# Altium PCB PA0960.PcbDoc
Units mm, origin at the board's own origin, x right, y up, seen from the top; angles counter-clockwise.
Board outline 25 x 23.86 mm, 4 copper layers (Top Copper, Signal Layer 1, Layer 1, Bottom Layer), stack 1.602 mm thick; 22 components, 11 nets, 65 pads, 195 vias.
Unrouted connection lines stored in the file: 10.
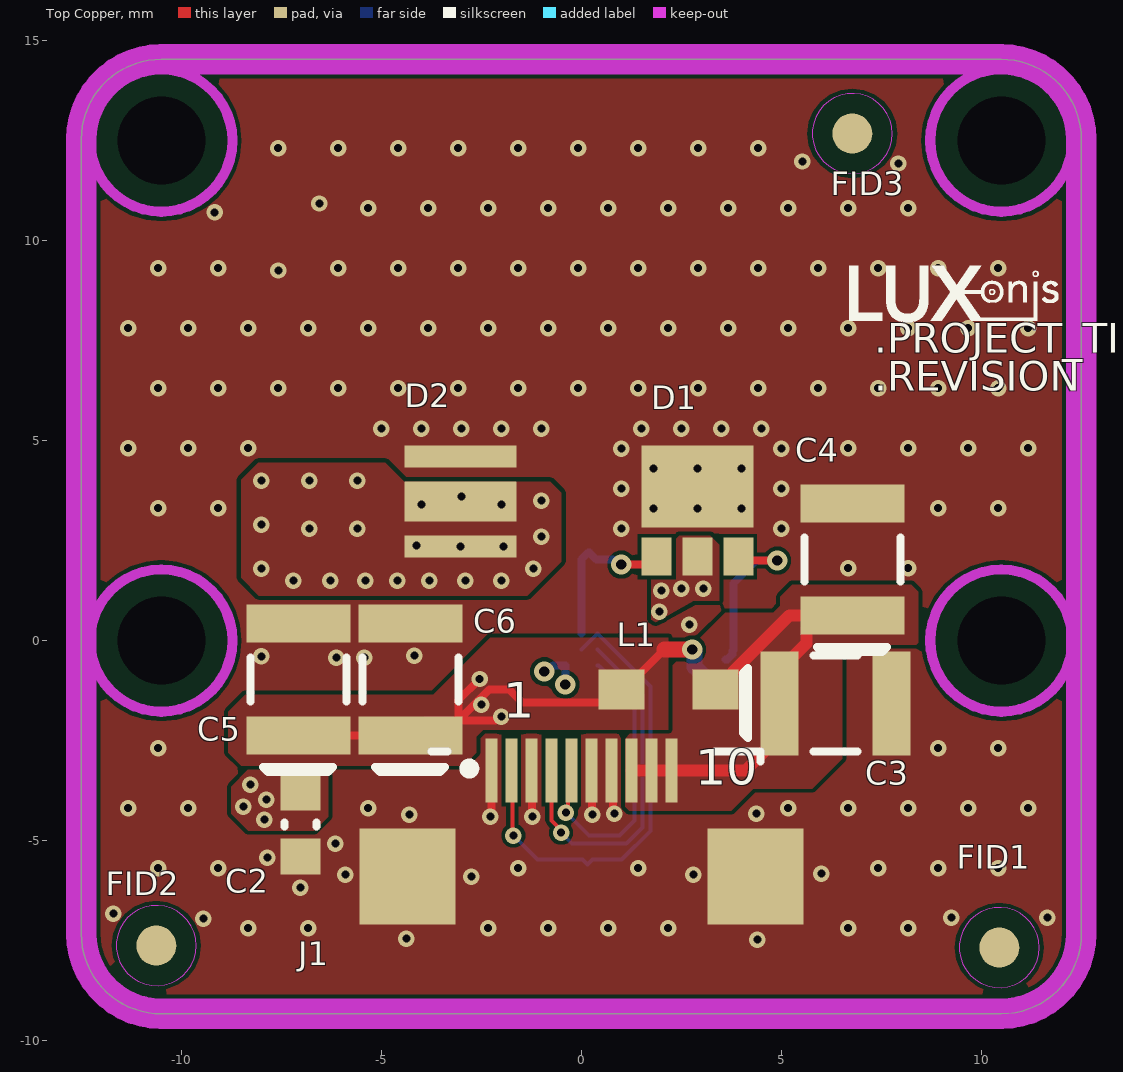
[diagram p0: Top Copper view]
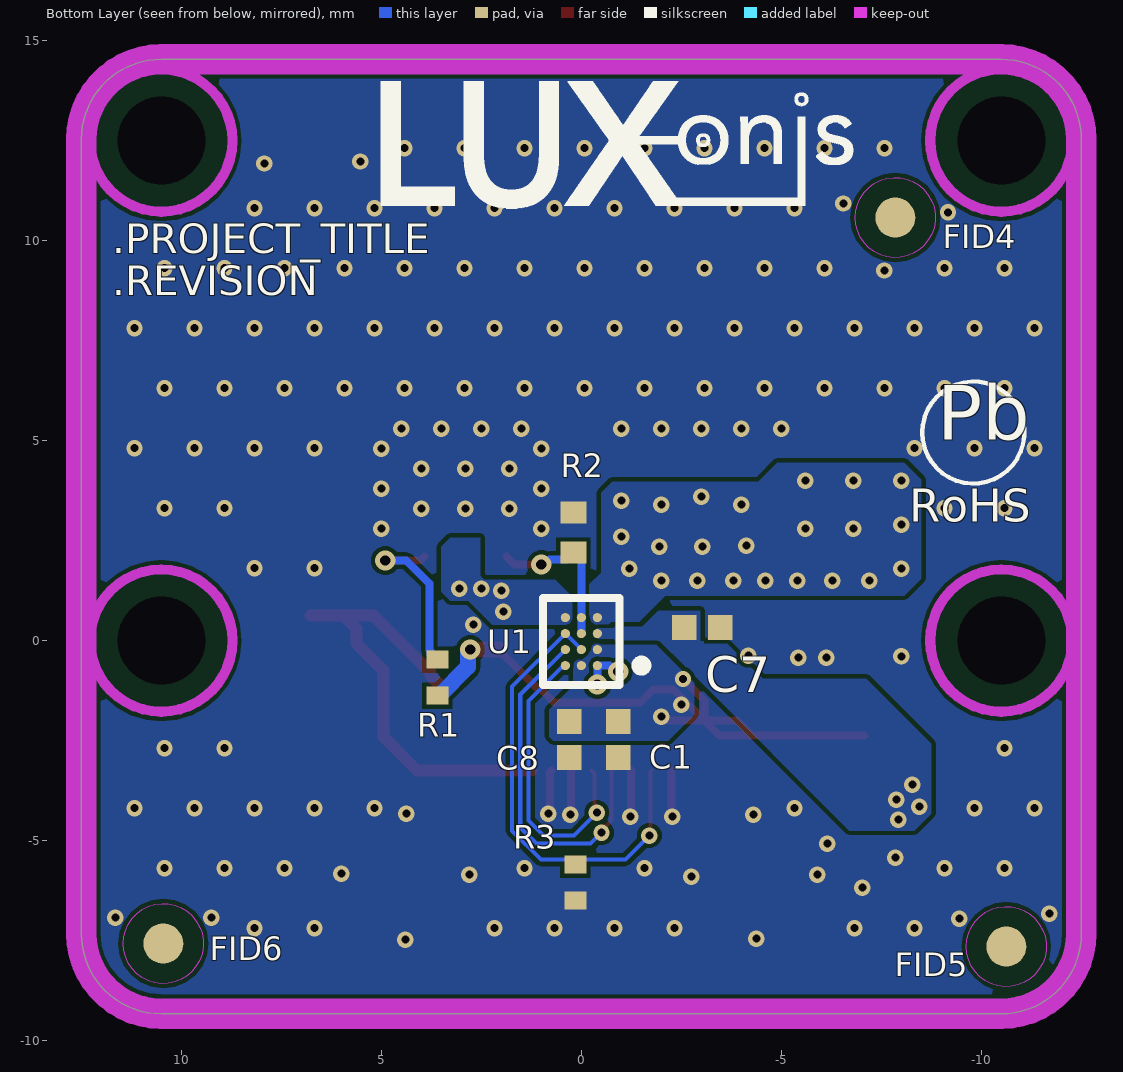
[diagram p1: Bottom Layer view, seen from below]
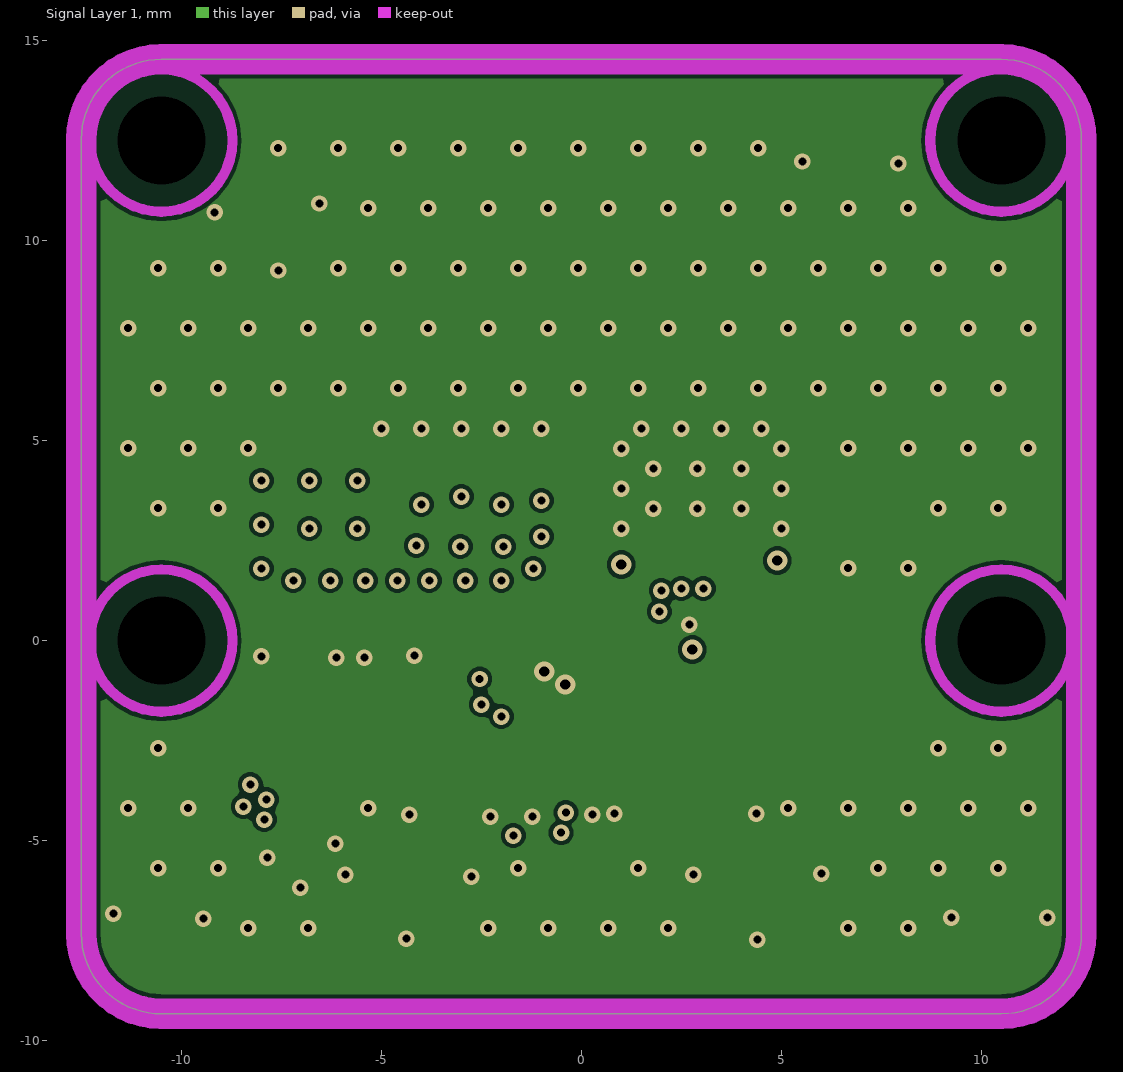
[diagram p2: Signal Layer 1]
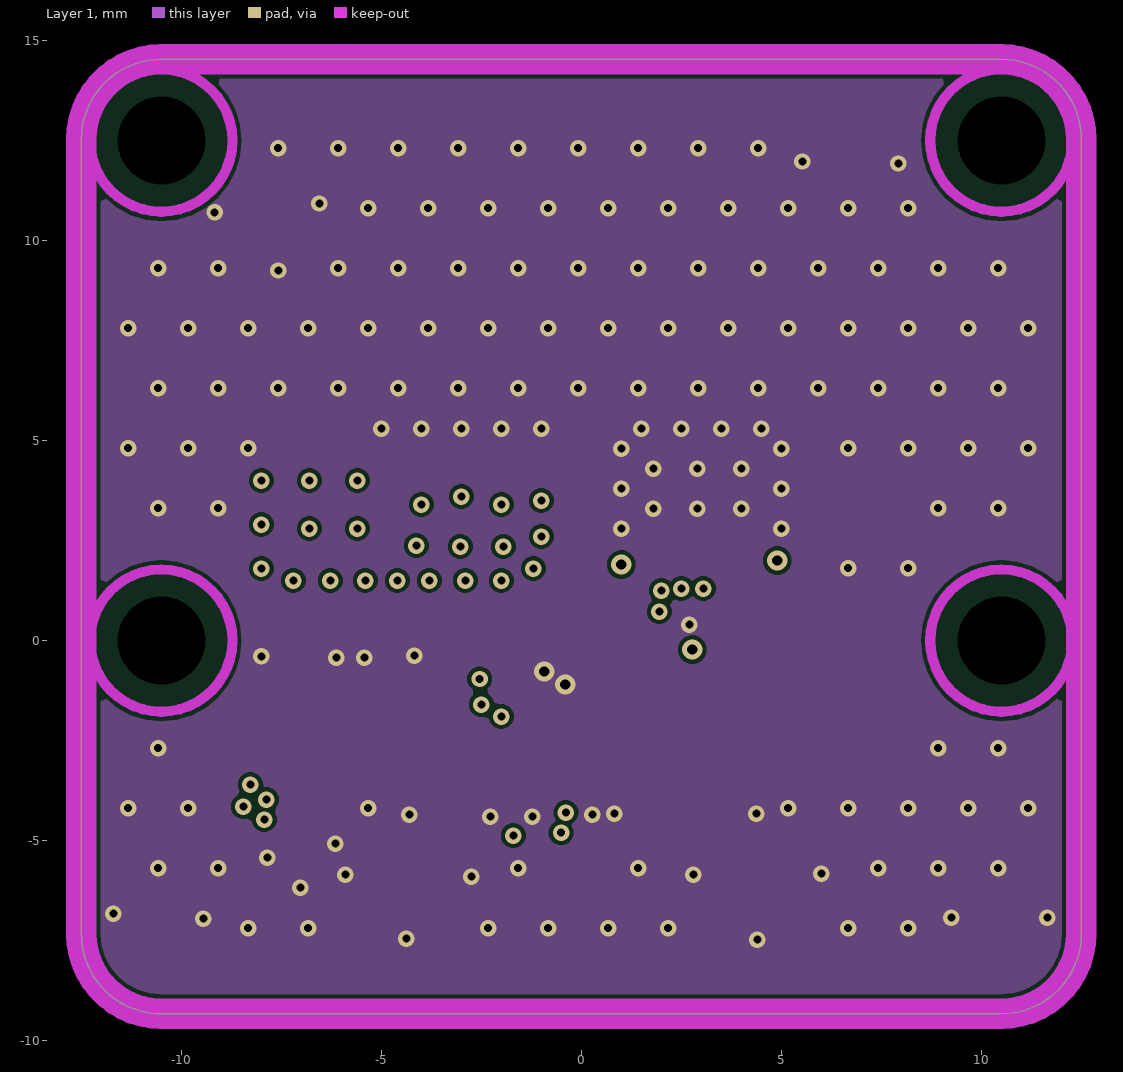
[diagram p3: Layer 1]

## Layer stack, top to bottom
Top Mask: solder mask 0.018, Solder Resist, Dk 4.2
Top Copper: signal copper 0.0356
Dielectric 1: prepreg 0.18, PP-021, Dk 4.2
Signal Layer 1: signal copper 0.0356
Core: core 1.1, Core-042, Dk 4.2
Layer 1: signal copper 0.0356
Dielectric 2: prepreg 0.18, PP-021, Dk 4.2
Bottom Layer: signal copper 0.0356
Bottom Solder: solder mask 0.018, Solder Resist, Dk 4.2

## Board outline
-12.5,-7.331 ccw(c-10.5,-7.331) -10.5,-9.331 10.5,-9.331 ccw(c10.5,-7.331) 12.5,-7.331 12.5,12.525 12.5,12.531 ccw(c10.5,12.531) 10.5,14.531 -10.5,14.531 ccw(c-10.5,12.531) -12.5,12.531

## Design rules (kind name [scope] priority, off if disabled: settings)
AssemblyTestPointUsage [All] p1: valid=2
AssemblyTestpoint [(IsPad And (OnTopLayer Or OnBottomLayer)) Or (IsVia) Or (IsPad And OnMultiLayer)] p1: testpointundercomponent=FALSE minsize=0.381 maxsize=2.54 preferedsize=1.524 minholesize=0 maxholesize=2.54 preferedholesize=0.813 testpointgrid=0.025 usegrid=FALSE gridtolerance=0 allowsidebottom=TRUE
BoardOutlineClearance [not InPolygonClass('ToEdge')] p1: gap=0.381 ignorepadtopadclearanceinfootprint=FALSE
Clearance DIFF_PAIR_GND [InPolygon vs InAnyDifferentialPair] p1: gap=0.381 ignorepadtopadclearanceinfootprint=FALSE
Clearance [All] p2: gap=0.1 ignorepadtopadclearanceinfootprint=FALSE
ComponentClearance [HasFootprint('FIDUCIAL_ROUND_1MM') or HasFootprint('TP100_200_NS') vs HasFootprint('FIDUCIAL_ROUND_1MM') or HasFootprint('TP100_200_NS')] p1: gap=-0.003 collisioncheckmode=3 verticalgap=2540 showdistances=FALSE
DiffPairsRouting 90ohm [InDifferentialPairClass('USB3')] p1: maxlimit=0.254 minlimit=0.102 mostfreqgap=0.254 toplayer_maxgap=0.102 toplayer_prefgap=0.102 toplayer_minwidth=0.178 toplayer_maxwidth=0.178 toplayer_prefwidth=0.178 bottomlayer_maxgap=0.102 bottomlayer_prefgap=0.102 bottomlayer_minwidth=0.178 bottomlayer_maxwidth=0.178 bottomlayer_prefwidth=0.178 impedanceprofiledriven=TRUE impedanceprofileid={75656676-1508-4D81-8E13-3A67F463D563} impedanceprofilevalue=90.000000 maxuncoupledlength=12.7
DiffPairsRouting 100ohm [InDifferentialPairClass('100ohm')] p2: maxlimit=0.254 minlimit=0.102 mostfreqgap=0.254 toplayer_maxgap=0.102 toplayer_prefgap=0.102 toplayer_minwidth=0.127 toplayer_maxwidth=0.127 toplayer_prefwidth=0.127 bottomlayer_maxgap=0.102 bottomlayer_prefgap=0.102 bottomlayer_minwidth=0.127 bottomlayer_maxwidth=0.127 bottomlayer_prefwidth=0.127 impedanceprofiledriven=TRUE impedanceprofileid={3DCD564B-A836-42F6-B08D-322C40E6617C} impedanceprofilevalue=100.000000 maxuncoupledlength=12.7
FabricationTestPointUsage [All] p1: valid=2 allowmultiple=TRUE
FabricationTestpoint [(IsPad And (OnTopLayer Or OnBottomLayer)) Or (IsVia) Or (IsPad And OnMultiLayer)] p1: side=3 testpointundercomponent=TRUE minsize=0.508 maxsize=2.54 preferedsize=1.524 minholesize=0 maxholesize=1.016 preferedholesize=0.813 testpointgrid=0.025 allowsidetop=TRUE allowsidebottom=TRUE usegrid=FALSE gridtolerance=0
HoleSize [All] p1: absolutevalues=TRUE maxlimit=25.4 minlimit=0.2 maxpercent=80.000 minpercent=20.000
HoleToHoleClearance [All] p1: gap=0.254 allowstackedmicrovias=FALSE
MatchedLengths DIFF-pairs [InDifferentialPairClass('All Differential Pairs')] p1: tolerance=25.4 checknetsindiffpair=TRUE checkdiffpairvsdiffpair=FALSE checkxsignals=FALSE checkothers=FALSE usedelayunits=TRUE delaytolerance=0.500000
MatchedLengths MIPI [InNetClass('SENSORMIPI')] p2: tolerance=25.4 checknetsindiffpair=FALSE checkdiffpairvsdiffpair=TRUE checkxsignals=TRUE checkothers=TRUE usedelayunits=TRUE delaytolerance=1.000000
MinimumSolderMaskSliver [not (HasFootprint('DF40HC-3.0-100DS-0.4V_minpad') or HasFootprint('TPD4E02B04DQAR') or HasFootprint('105450-0101'))] p1: minsoldermaskwidth=0.076
PolygonConnect [All] p1: thpad.connectstyle=Direct thpad.reliefconductorwidth=0.254 thpad.reliefentries=4 thpad.polygonreliefangle="90 Angle" thpad.airgapwidth=0.254 smdpad.connectstyle=Relief smdpad.reliefconductorwidth=0.254 smdpad.reliefentries=4 smdpad.polygonreliefangle="90 Angle" smdpad.airgapwidth=0.254 via.connectstyle=Direct via.reliefconductorwidth=0.254 via.reliefentries=4 via.polygonreliefangle="90 Angle" via.airgapwidth=0.254
RoutingVias RoutingVias_Diff [InDifferentialPairClass('All Differential Pairs')] p1: holewidth=0.254 width=0.508 viastyle="Through Hole" minholewidth=0.2 minwidth=0.4 maxholewidth=25.4 maxwidth=25.4 useviatemplates=TRUE viatemplateguid#1={89C6ABBB-0869-4518-BEFD-EF2159B6DCCA} viatemplatename#1=v41h20m0mx0
RoutingVias [All] p2: holewidth=0.254 width=0.508 viastyle="Through Hole" minholewidth=0.2 minwidth=0.4 maxholewidth=25.4 maxwidth=25.4
SilkToSilkClearance [All] p1: silktosilkclearance=0.025
SilkToSolderMaskClearance [InPadClass('All Pads')] p1: minsilkscreentomaskgap=0 clearancetoexposedcopper=FALSE
SolderMaskExpansion [All] p1: expansion=0.102 istentingtop=FALSE
UnRoutedNet [All] p1: checkbadconnections=TRUE
Width [All] p1: maxlimit=1 minlimit=0.102 preferedwidth=0.254
18 further rules are at their usual default settings.

## Components (designator, comment, footprint, x,y, rotation, side; value= is the part's Value field where it differs from the comment)
C1 "10uF 0402" CAPC0402(1005)70_N -0.925,-2.475 r90 bottom
C2 "10uF 0603" CAPC0603(1608)100_N -7.025,-4.6 r270 top
C3 "150uF 1206 10V tantal" RESTL1210(3225)_L 6.35,-1.575 r0 top
C4 "150uF 1206 10V tantal" RESTL1210(3225)_L 6.775,2.025 r90 top
C5 "150uF 1206 10V tantal" RESTL1210(3225)_L -7.075,-0.975 r90 top
C6 "150uF 1206 10V tantal" RESTL1210(3225)_L -4.275,-0.975 r90 top
C7 "100nF 0402" CAPC0402(1005)70_N -3.025,0.325 r0 bottom
C8 "100nF 0402" CAPC0402(1005)70_N 0.3,-2.475 r90 bottom
D1 "BELAGO1.1" Belago1.1 2.9,3.475 r270 top locked
D2 "SFH 4715AS" "SFH 4715AS" -3.025,3.475 r0 top
FID1 "FIDUCIAL_ROUND_1MM" FIDUCIAL_ROUND_1MM 10.45,-7.675 r90 top locked
FID2 "FIDUCIAL_ROUND_1MM" FIDUCIAL_ROUND_1MM -10.625,-7.625 r90 top
FID3 "FIDUCIAL_ROUND_1MM" FIDUCIAL_ROUND_1MM 6.775,12.675 r90 top
FID4 "FIDUCIAL_ROUND_1MM" FIDUCIAL_ROUND_1MM -7.85,10.575 r90 bottom
FID5 "FIDUCIAL_ROUND_1MM" FIDUCIAL_ROUND_1MM -10.625,-7.65 r90 bottom
FID6 "FIDUCIAL_ROUND_1MM" FIDUCIAL_ROUND_1MM 10.45,-7.575 r90 bottom
J1 "F32R-1A7H1-11010" F32R-1A7H1-11010 0,-4.576 r0 top locked
L1 "742792011" SMD-0805 2.175,-1.225 r180 top
R1 "300K 0402" RESC0402(1005)_L 3.6,-0.925 r270 bottom
R2 "360K 0402" RESC0402(1005)_N 0.2,2.7 r270 bottom
R3 "10K 0402" RESC0402(1005)_L 0.15,-6.05 r90 bottom
U1 "LM3644" LM3644YFFR 0,-0.025 r0 bottom

## Footprints (in the part's own frame and the unit in brackets; to place one, negate y for a bottom-side part, rotate by r counter-clockwise, add the part's x,y. Pads: shape width x height; smd on the part's side, far side on the other; paste and mask are expansions set on the pad)
Belago1.1 [mm] "SOT23, 6-Leads, Body 2x1.25mm, Pitch 0.65mm"
  rect 0.95x0.75 smd: 1(1.375,1.025) 2(1.375,0) 3(1.375,-1.025)
  rect 2.05x2.8 smd: 4(-0.375,0)
  body extent -1.8,-1.8 2.4,1.8, height 4.25
CAPC0402(1005)70_N [mm] "Chip Capacitor, Body 1.0x0.5mm, Height 0.7mm, IPC Medium Density"
  rect 0.62x0.62 smd: 1(-0.45,0) 2(0.45,0)
  body extent -0.55,-0.3 0.55,0.3, height 0.7
CAPC0603(1608)100_N [mm] "Chip Capacitor, Body 1.6x0.8mm, Height 1.0mm, IPC Medium Density"
  rect 0.9x1 smd: 1(-0.8,0) 2(0.8,0)
  silkscreen extent -0.05,-0.4 0.05,0.4, body extent -0.87,-0.48 0.88,0.47, height 1
F32R-1A7H1-11010 [mm]
  rect 0.3x1.6 smd: 1(-2.249,1.325) 2(-1.749,1.325) 3(-1.249,1.325) 4(-0.749,1.325) 5(-0.249,1.325) 6(0.251,1.325) 7(0.751,1.325) 8(1.251,1.325) 9(1.751,1.325) 10(2.251,1.325)
  rect 2.4x2.4 smd: MP1(-4.349,-1.325) MP2(4.349,-1.325)
  silkscreen extent -3.75,1.25 4.48,1.81, body extent -6.14,-4.25 6.16,1.25, height 2.08
FIDUCIAL_ROUND_1MM [mm] "Round, 1mm dia"
  round 1 smd paste-1 mask+0.5: 1(0,0)
  Top Copper keep-out circle w0.025: c0,0 r1
LM3644YFFR [mm] "DSBGA 12 (pitch 0.4mm)"
  round 0.23 smd paste-1000 mask-1000: A1(-0.4,0.6) A2(0,0.6) A3(0.4,0.6) B1(-0.4,0.2) B2(0,0.2) B3(0.4,0.2) C1(-0.4,-0.2) C2(0,-0.2) C3(0.4,-0.2) D1(-0.4,-0.6) D2(0,-0.6) D3(0.4,-0.6)
  silkscreen extent -1.62,-1.09 0.96,1.09, body extent -0.69,-0.82 0.69,0.82, height 0.63
RESC0402(1005)_L [mm] "Chip Resistor, Body 1.0x0.5mm, IPC High Density"
  rect 0.45x0.55 smd: 1(-0.45,0) 2(0.45,0)
  body extent -0.52,-0.27 0.53,0.28, height 0.4
RESC0402(1005)_N [mm] "Chip Resistor, Body 1.0x0.5mm, IPC Medium Density"
  rect 0.55x0.65 smd: 1(-0.5,0) 2(0.5,0)
  body extent -0.52,-0.27 0.53,0.28, height 0.4
RESTL1210(3225)_L [mm]
  rect 0.95x2.6 smd: 1(-1.4,0) 2(1.4,0)
  silkscreen extent -2.31,-1.2 0.55,1.2, body extent -1.7,-1.35 1.7,1.35, height 0.71
"SFH 4715AS" [mm] "OSLON Black Series (850 nm) - 80°"
  rect 2.8x0.55 smd: 1(0,-1.125) 2(0,1.125)
  rect 2.8x1 smd paste-1: 1(0,0)
  body extent -1.93,-1.93 1.93,1.93, height 2.4
SMD-0805 [mm] "Chip Inductor, 2-Leads, Body 2.0x1.2mm"
  rect 1.15x1 smd: 1(-1.175,0) 2(1.175,0)
  body extent -1,-0.6 1,0.6, height 0.89

## Part data
C1 C7 C8: library part CMP-004-000009-1, "CAP CER 10UF 6.3V X5R 0402 20%", Capacitance=10uF, Case Code (Imperial)=0402, Case Code (Metric)=1005, Dielectric=X5R, Manufacturer 1=Murata, Manufacturer Part Number 1=GRM155R60J106ME15D, Max Operating Temperature=85°C, Min Operating Temperature=-55°C, Tolerance=20%, Voltage Rating=6.3V, Case/Package=0402, ComponentLink1Description=https://www.murata.com/~/media/webrenewal/support/library/catalog/products/capacitor/mlcc/c02e.ashx?la=en-us&src-supplier=Digi-Key, ComponentLink1URL=https://www.murata.com/~/media/webrenewal/support/library/catalog/products/capacitor/mlcc/c02e.ashx?la=en-us&src-supplier=Digi-Key, Design Item ID=GRM155R60J106ME15D, Length=0.039inch, Mount="Surface Mount", Packaging="Tape and Reel", Pricing 1="1=0.23000, 10=0.15700, 100=0.07950, 500=0.05442, 1000=0.04814, 2500=0.04605, 5000=0.04186 (USD)", RoHS=Yes, Source=LuxonisMaster.SchLib, Stock 1=1839627, Thickness=0.026inch, Voltage Rating (DC)=6.3V, Width=0.02inch
C2: library part CMP-004-000018-1, "CAP CER 10UF 10V X5R 0603 20%", Capacitance=10uF, Case Code (Imperial)=0603, Case Code (Metric)=1608, Dielectric=X5R, Manufacturer 1=Murata, Manufacturer Part Number 1=GRM188R61A106ME69D, Max Operating Temperature=85°C, Min Operating Temperature=-55°C, Package Quantity=4000, Tolerance=20%, Voltage Rating=10V, Case/Package=0603, ComponentLink1Description=http://www.mouser.com/ds/2/281/c02e-2905.pdf?src-supplier=Mouser, ComponentLink1URL=http://www.mouser.com/ds/2/281/c02e-2905.pdf?src-supplier=Mouser, ComponentLink2Description=http://components.arrow.com/part/dataview/0323_06119472?src-supplier=Arrow+Europe, ComponentLink2URL=http://components.arrow.com/part/dataview/0323_06119472?src-supplier=Arrow+Europe, ComponentLink3Description=http://www.farnell.com/datasheets/2048014.pdf?src-supplier=Farnell, ComponentLink3URL=http://www.farnell.com/datasheets/2048014.pdf?src-supplier=Farnell, ComponentLink4Description=http://www.farnell.com/datasheets/1872210.pdf?src-supplier=Farnell, ComponentLink4URL=http://www.farnell.com/datasheets/1872210.pdf?src-supplier=Farnell, ComponentLink5Description=http://search.murata.co.jp/Ceramy/image/img/A01X/G101/ENG/GRM188R61A106ME69-01.pdf?src-supplier=Digi-Key, ComponentLink5URL=http://search.murata.co.jp/Ceramy/image/img/A01X/G101/ENG/GRM188R61A106ME69-01.pdf?src-supplier=Digi-Key, ComponentLink6Description=http://www.farnell.com/datasheets/1872210.pdf?src-supplier=Newark, ComponentLink6URL=http://www.farnell.com/datasheets/1872210.pdf?src-supplier=Newark, ComponentLink7Description=http://www.farnell.com/datasheets/2048014.pdf?src-supplier=Element14, ComponentLink7URL=http://www.farnell.com/datasheets/2048014.pdf?src-supplier=Element14, ComponentLink8Description=http://www.farnell.com/datasheets/2048014.pdf?src-supplier=Newark, ComponentLink8URL=http://www.farnell.com/datasheets/2048014.pdf?src-supplier=Newark, Depth=0.8mm, Design Item ID=GRM188R61A106ME69D, Height=0.8mm, Lead Free="Lead Free", Length=1.6mm, Material=Ceramic, Mount="Surface Mount", Packaging="Tape and Reel", Pricing 1="1=0.21000, 10=0.14100, 100=0.07130, 500=0.04876, 1000=0.04313 (USD)", REACH SVHC=Unknown, RoHS=Yes, Source=LuxonisMaster.SchLib, Stock 1=2873098, Termination=SMD/SMT, Thickness=0.035inch, Voltage Rating (DC)=10V, Weight=0.000222oz, Width=0.8mm
C3 C4 C5 C6: library part CMP-050-000000-1, "Tantalum Capacitor, Polarized, Tantalum (dry/solid), 10V, 20% +Tol, 20% -Tol, 150uF, Surface Mount, 1210", Capacitance=150uF, Capacitor Type=Tantalum, ESR (Equivalent Series Resistance)=500mR, Leakage Current=15uA, Manufacturer 1="Kyocera AVX", Manufacturer Part Number 1=TLJB157M010R0500, Max Operating Temperature=125°C, Min Operating Temperature=-55°C, Negative Tolerance=20%, Package Shape=Rectangular, Package Style=SMTMeter, Rated DC Voltage (URdc)=10V, Ripple Current=371mA, Category="Tantalum Capacitors", Component Type=Standard, ComponentLink1Description=https://datasheet.ciiva.com:443/pdfs/VipMasterIC/IC/AVXC/AVXC-S-A0008508048/AVXC-S-A0008508048-1.pdf?src-supplier=IHS+Markit, ComponentLink1URL=https://datasheet.ciiva.com:443/pdfs/VipMasterIC/IC/AVXC/AVXC-S-A0008508048/AVXC-S-A0008508048-1.pdf?src-supplier=IHS+Markit, ComponentLink2Description=https://datasheet.ciiva.com/264/tlj-264786.pdf?src-supplier=Digi-Key, ComponentLink2URL=https://datasheet.ciiva.com/264/tlj-264786.pdf?src-supplier=Digi-Key, ComponentLink3Description=https://datasheet.ciiva.com/264/tlj-264787.pdf?src-supplier=Digi-Key, ComponentLink3URL=https://datasheet.ciiva.com/264/tlj-264787.pdf?src-supplier=Digi-Key, ComponentLink4Description=https://datasheet.ciiva.com/264/tlj-264788.pdf?src-supplier=Digi-Key, ComponentLink4URL=https://datasheet.ciiva.com/264/tlj-264788.pdf?src-supplier=Digi-Key, ComponentLink5Description=https://datasheet.ciiva.com/46385/1910903-46385237.pdf?src-supplier=Element14, ComponentLink5URL=https://datasheet.ciiva.com/46385/1910903-46385237.pdf?src-supplier=Element14, ComponentLink6Description=https://datasheet.ciiva.com/28515/tlj-28515528.pdf?src-supplier=Element14, ComponentLink6URL=https://datasheet.ciiva.com/28515/tlj-28515528.pdf?src-supplier=Element14, ComponentLink7Description=https://datasheet.ciiva.com/7773/1533257-7773833.pdf?src-supplier=Element14, ComponentLink7URL=https://datasheet.ciiva.com/7773/1533257-7773833.pdf?src-supplier=Element14, ComponentLink8Description=https://datasheet.ciiva.com/14593/70001364-14593673.pdf?src-supplier=Allied+Electronics, ComponentLink8URL=https://datasheet.ciiva.com/14593/70001364-14593673.pdf?src-supplier=Allied+Electronics, ComponentLink9Description=https://datasheet.ciiva.com/14606/70001364-14606409.pdf?src-supplier=Allied+Electronics, ComponentLink9URL=https://datasheet.ciiva.com/14606/70001364-14606409.pdf?src-supplier=Allied+Electronics, ComponentLink10Description=https://datasheet.ciiva.com/7773/1533257-7773834.pdf?src-supplier=Element14, ComponentLink10URL=https://datasheet.ciiva.com/7773/1533257-7773834.pdf?src-supplier=Element14, ComponentLink11Description=https://datasheet.ciiva.com/11229/tlj-11229389.pdf?src-supplier=Avnet, ComponentLink11URL=https://datasheet.ciiva.com/11229/tlj-11229389.pdf?src-supplier=Avnet, ComponentLink12Description=https://datasheet.ciiva.com/17339/tlj-17339422.pdf?src-supplier=Avnet+Europe, ComponentLink12URL=https://datasheet.ciiva.com/17339/tlj-17339422.pdf?src-supplier=Avnet+Europe, Design Item ID=TLJB157M010R0500, Dielectric Material=Tantalum, Height=1.9mm, JESD-609 Code=e3, Length=3.5mm, Mount="Surface Mount", Number of Pins=2, Packaging="Tape and Reel", Pin Count=2, Polarity=Polarized, Positive Tolerance=20%, Pricing 1="1=0,74000, 10=0,54700, 50=0,43800, 100=0,37540, 500=0,29716, 1000=0,25024 (USD)", REACH SVHC=Yes, RoHS=Yes, RoHS Compliant=Yes, Size Code=1411, Source=DM9095_R3M2E4.SCHLIB, Stock 1=10000, Terminal Finish=Nickel, Termination="J BEND", Width=2.8mm
D1: library part CMP-004-00032-1, "Dot-Pattern Infrared Illuminator for 3D Stereoscopic / Imaging AQAA-20", Manufacturer 1=AMS, Manufacturer Part Number 1="Belago1.1 AQAA-20", Design Item ID=BELAGO1.1, Source=DM9098.SchLib
D2: library part CMP-004-00033-1, "OSLON Black Series (850 nm) - 80°", Manufacturer 1=Osram, Design Item ID="SFH 4715AS", Manufacturer Part Number 1="SFH 4715AS", Ordering code=Q65111A6857, Source=DM9098.SchLib
FID1 FID2 FID3 FID4 FID5 FID6: library part CMP-011-000000-1, "Fiducial with various available footprints", Design Item ID=FIDUCIAL, Source=LuxonisMaster.SchLib
J1: library part CMP-002-00101-1, "FPC/FFC Connector Socket 10 Position 0.5mm Bottom Contact Solder Right Angle Surface Mount T/R", Manufacturer 1="Amphenol ICC / FCI", Category="FFC / FPC", ComponentLink1Description=https://cdn.amphenol-icc.com/media/wysiwyg/files/drawing/f32r-f32j.pdf, ComponentLink1URL=https://cdn.amphenol-icc.com/media/wysiwyg/files/drawing/f32r-f32j.pdf, Design Item ID=F32R-1A7H1-11010, Manufacturer Part Number 1=F32R-1A7H1-11010, Pricing 1="1=0,53000, 10=0,44300, 50=0,44300, 100=0,38000, 500=0,33100, 1000=0,27300, 2500=0,24800, 5000=0,24000, 10000=0,23700 (USD)", RoHS=No, Source=DD2090_4CAM_FFC_R3M1E2.SCHLIB, Stock 1=35427
L1: library part CMP-006-00026-1, "Ferrite Chip, 1 Function(s), 3A, 2 Pin(s)", Case Code=0805, Current Rating=3A, DC Resistance-Max=25mR, Manufacturer 1="Wurth electronic", Max Operating Temperature=125°C, Min Operating Temperature=-55°C, Supplier Part Number 1=732-4635-2-ND, Manufacturer Part Number 1=742792011, RoHS Compliant=Yes, Supplier 1=Digi-Key
R1 R3: library part CMP-115-000004-1, "RES SMD 10K OHM 1% 0402 1/16W Chip Resistor, 0402 [1005 Metric], 10 kohm, RC Series, 50 V, Thick Film, 62.5 mW", Case Code (Imperial)=0402, Case Code (Metric)=1005, Manufacturer 1=Yageo, Manufacturer Part Number 1=RC0402FR-1310KL, Max Operating Temperature=155°C, Min Operating Temperature=-55°C, Power Rating=62.5mW, Resistance=10kR, Temperature Coefficient=100ppm/°C, Tolerance=1%, Voltage Rating=50V, Case/Package=0402, ComponentLink1Description=https://datasheet.ciiva.com/16940/pyu-rc0402-51-rohs-l-6-16940293.pdf?src-supplier=Avnet+Europe, ComponentLink1URL=https://datasheet.ciiva.com/16940/pyu-rc0402-51-rohs-l-6-16940293.pdf?src-supplier=Avnet+Europe, ComponentLink2Description=https://datasheet.ciiva.com/28386/pyu-rc0402-51-rohs-l-6-28386855.pdf?src-supplier=Avnet+Europe, ComponentLink2URL=https://datasheet.ciiva.com/28386/pyu-rc0402-51-rohs-l-6-28386855.pdf?src-supplier=Avnet+Europe, ComponentLink3Description=https://datasheet.ciiva.com/16740/pyu-rc0402-51-rohs-l-6-r-16740602.pdf?src-supplier=Future+Electronics, ComponentLink3URL=https://datasheet.ciiva.com/16740/pyu-rc0402-51-rohs-l-6-r-16740602.pdf?src-supplier=Future+Electronics, ComponentLink4Description=https://datasheet.ciiva.com/8891/pyu-rc0402-51-rohs-l-6-8891339.pdf?src-supplier=Avnet, ComponentLink4URL=https://datasheet.ciiva.com/8891/pyu-rc0402-51-rohs-l-6-8891339.pdf?src-supplier=Avnet, ComponentLink5Description=https://datasheet.ciiva.com/5557/pyu-rc0402-51-rohs-l-6-r-5557997.pdf?src-supplier=Mouser, ComponentLink5URL=https://datasheet.ciiva.com/5557/pyu-rc0402-51-rohs-l-6-r-5557997.pdf?src-supplier=Mouser, ComponentLink6Description=https://datasheet.ciiva.com/7983/1018594-7983533.pdf?src-supplier=Element14, ComponentLink6URL=https://datasheet.ciiva.com/7983/1018594-7983533.pdf?src-supplier=Element14, Composition="Thick Film", Contact Plating=Tin,Matte,Lead, Depth=0.5mm, Design Item ID=RC0402FR-1310KL, Lead Free="Lead Free", Length=1mm, Military Standard=Not, Number of Pins=2, Number of Terminations=2, Packaging="Tape and Reel", Pricing 1="1=0.10000, 25=0.01200, 100=0.00400, 250=0.00400, 500=0.00300, 1000=0.00300 (USD)", Radiation Hardening=No, REACH SVHC="No SVHC", RoHS=Yes, Source=BW2098POE_1.SCHLIB, Stock 1=62239, Termination=SMD/SMT, Voltage Rating (DC)=50V, Working Voltage=50V
R2: library part CMP-013-000051-2, "Fixed Resistor, Metal Glaze/thick Film, 0.0625W, 360000ohm, 50V, 1% +/-Tol, 100ppm/Cel, Surface Mount, 0402", Manufacturer 1=Yageo, Manufacturer Part Number 1=RC0402FR-07360KL, Max Operating Temperature=155°C, Min Operating Temperature=-55°C, Rated Power Dissipation (P)=62.5mW, Resistance=360kR, Tolerance=1%, Category="Chip SMD Resistors", Design Item ID=RC0402FR-07360KL, Number of Pins=2, RoHS Compliant=Yes
U1: library part CMP-006-000006-1, "LED Driver, 2-Segment, PBGA12", Manufacturer 1="Texas Instruments", Manufacturer Part Number 1=LM3644YFFR, Max Operating Temperature=85°C, Max Supply Voltage=5.5V, Min Operating Temperature=-40°C, Min Supply Voltage=2.5V, Package Body Material=Plastic, Package Code=VFBGA, Package Shape=Rectangular, Package Style="GRID ARRAY, VERY THIN PROFILE, FINE PITCHMeter", Peak Reflow Temperature (Cel)=260°C, Supply Voltage-Nom=3.6V, Temperature Grade=INDUSTRIAL, Category="LED Drivers", ComponentLink1Description=https://www.ti.com:443/lit/ds/symlink/lm3644.pdf?src-supplier=IHS+Markit, ComponentLink1URL=https://www.ti.com:443/lit/ds/symlink/lm3644.pdf?src-supplier=IHS+Markit, ComponentLink2Description=https://datasheet.ciiva.com/48475/lm3644-48475318.pdf?src-supplier=Avnet, ComponentLink2URL=https://datasheet.ciiva.com/48475/lm3644-48475318.pdf?src-supplier=Avnet, Data Input Mode=SERIAL, Design Item ID=LM3644, Height - Seated (Max)=0.625mm, Interface IC Type="LED DISPLAY DRIVER", JESD-609 Code=e1, Length=1.66mm, Moisture Sensitivity Level=1, Multiplexed Display Capability=No, Number of Functions=1, Number of Pins=12, Number of Segments=2, Pricing 1="1=0,64580, 10=0,63600, 25=0,62590, 100=0,61590, 250=0,60610, 500=0,59600, 1000=0,58600, 3000=0,35000, 30000=0,34520, 300000=0,31610, 1500000=0,29870, 3000000=0,29850 (USD)", REACH SVHC=Yes, RoHS=Yes, RoHS Compliant=Yes, Source=DM9098.SchLib, Stock 1=2033, Surface Mount=Yes, Terminal Finish=Copper, Terminal Form=Ball, Terminal Pitch=0.4mm, Terminal Position=BOTTOM, Width=1.28mm

## Free pads (board coordinates)
  round 0 hole 2.2: 5(-10.5,0)
  round 1.524 hole 2.2: 6(-10.5,12.5) 7(10.5,12.5) 8(10.5,0)

## Via types
v1: diameter 0.41, hole 0.2, Top Copper to Bottom Layer, tented both sides, 178 vias
v2: diameter 0.41, hole 0.2, Top Copper to Bottom Layer, 12 vias
v3: diameter 0.508, hole 0.254, Top Copper to Bottom Layer, tented both sides, 5 vias

## Nets (pads, with @x,y where several pads share a name; then routed paths per layer and width w, separated by ;. In a path a pad name is that pad's centre, name@x,y a point inside that pad or via, vN(x,y) a via of type N, cw(c..) or ccw(c..) an arc to the next point about the centre after c; other vN are vias at no path point)
5V: C1.2 C5.1 C6.1 C8.2 L1.2 R1.2 U1.A2 U1.B1 | length 16.3
  Top Copper w0.2: C5.1 C6.1 ; v1(-2.541,-0.961) -3.075,-1.495 C6.1@-3.075,-2 ; v1(-2,-1.9) -2.057,-1.9 -2.157,-2 C6.1@-3.075,-2 ; 2.075,-0.225 1.075,-1.225 L1.2 0.671,-1.554 -1.471,-1.554 -1.8,-1.225 -2.3,-1.225 C6.1@-3.075,-2 ; C6.1 -3.9,-2 C6.1@-3.075,-2 ; C6.1 -3.45,-2.375 C6.1@-3.075,-2
  Top Copper w0.4: 2.075,-0.225 v3(2.775,-0.225)
  Bottom Layer w0.4: v3(2.775,-0.225) 2.834,-0.284 2.834,-0.659 3.55,-1.375 R1.2
  other v1: -2.5,-1.6
5V_IN: C3.1 C4.1 J1.8 J1.9 J1.10 L1.1 | length 11.7
  Top Copper w0.3: J1.8 J1.9 J1.10 4.099,-3.251 4.95,-2.4 C3.1 4.95,-0.75 5.625,-0.075 5.625,0.3 C4.1@5.95,0.625 ; L1.1 3.425,-1.225 3.775,-0.875 3.775,-0.8 5.2,0.625 C4.1@5.95,0.625 ; C4.1 C4.1@5.95,0.625
GND: C1.1 C2.2 C3.2 C4.2 C5.2 C6.2 C7.1 C8.1 D1.4 D2.2 J1.1 J1.3 J1.6 J1.7 J1.MP1 J1.MP2 R2.1 R3.1 U1.A1 | length 5.6
  Top Copper w0.2: v1(-2.275,-4.4) -2.249,-4.4 J1.1 ; J1.3 -1.237,-3.263 -1.237,-4.388 v1(-1.225,-4.4) ; J1.6 0.263,-3.263 0.263,-4.338 v1(0.275,-4.35) ; J1.7 0.788,-3.288 0.788,-4.288 v1(0.825,-4.325)
  Bottom Layer w0.2: v3(-0.925,-0.775) -0.858,-0.775 -0.708,-0.625 -0.475,-0.625 U1.A1@-0.437,-0.662 ; v3(-0.4,-1.1) U1.A1
  other v1: 4.4,-7.475 -4.375,-7.45 -8.33,-7.19 -6.83,-7.19 -2.33,-7.19 -0.83,-7.19 0.67,-7.19 2.17,-7.19 6.67,-7.19 8.17,-7.19 -9.45,-6.95 9.25,-6.925 11.651,-6.925 -11.701,-6.825 -7.025,-6.175 -2.75,-5.9 -5.9,-5.85 2.8,-5.85 6,-5.825 -10.58,-5.69 -9.08,-5.69 -1.58,-5.69 1.42,-5.69 7.42,-5.69 8.92,-5.69 10.42,-5.69 -7.85,-5.425 -6.15,-5.075 -4.3,-4.35 4.375,-4.325 -11.33,-4.19 -9.83,-4.19 -5.33,-4.19 5.17,-4.19 6.67,-4.19 8.17,-4.19 9.67,-4.19 11.17,-4.19 -10.58,-2.69 8.92,-2.69 10.42,-2.69 -6.125,-0.425 -5.425,-0.425 -8,-0.393 -4.175,-0.375 2.7,0.4 6.67,1.81 8.17,1.81 1,2.8 5,2.8 -10.58,3.31 -9.08,3.31 8.92,3.31 10.42,3.31 1,3.8 5,3.8 1,4.8 5,4.8 -11.33,4.81 -9.83,4.81 -8.33,4.81 6.67,4.81 8.17,4.81 9.67,4.81 11.17,4.81 -5,5.3 -4,5.3 -3,5.3 -2,5.3 -1,5.3 1.5,5.3 2.5,5.3 3.5,5.3 4.5,5.3 -10.58,6.31 -9.08,6.31 -7.58,6.31 -6.08,6.31 -4.58,6.31 -3.08,6.31 -1.58,6.31 -0.08,6.31 1.42,6.31 2.92,6.31 4.42,6.31 5.92,6.31 7.42,6.31 8.92,6.31 10.42,6.31 -11.33,7.81 -9.83,7.81 -8.33,7.81 -6.83,7.81 -5.33,7.81 -3.83,7.81 -2.33,7.81 -0.83,7.81 0.67,7.81 2.17,7.81 3.67,7.81 5.17,7.81 6.67,7.81 8.17,7.81 9.67,7.81 11.17,7.81 -7.575,9.25 -10.58,9.31 -9.08,9.31 -6.08,9.31 -4.58,9.31 -3.08,9.31 -1.58,9.31 -0.08,9.31 1.42,9.31 2.92,9.31 4.42,9.31 5.92,9.31 7.42,9.31 8.92,9.31 10.42,9.31 -9.168,10.707 -5.33,10.81 -3.83,10.81 -2.33,10.81 -0.83,10.81 0.67,10.81 2.17,10.81 3.67,10.81 5.17,10.81 6.67,10.81 8.17,10.81 -6.55,10.926 7.925,11.926 5.525,11.976 -7.58,12.31 -6.08,12.31 -4.58,12.31 -3.08,12.31 -1.58,12.31 -0.08,12.31 1.42,12.31 2.92,12.31 4.42,12.31
  other v2: 1.8,3.3 2.9,3.3 4,3.3 1.8,4.3 2.9,4.3 4,4.3
HWEN: D1.3 R2.2 U1.C2 U1.D2 | length 4
  Top Copper w0.2: v3(1,1.9) 1.675,1.9 D1.3
  Bottom Layer w0.2: U1.C2 U1.D2 0,2.025 0.175,2.2 R2.2 0.375,2.025 0.792,2.025 0.917,1.9 v3(1,1.9)
I2C_SCL: J1.4 U1.B3 | length 8.9
  Top Copper w0.102: J1.4 -0.749,-4.495 -0.505,-4.739 v1(-0.505,-4.803)
  Bottom Layer w0.102: v1(-0.505,-4.803) -0.231,-5.077 1.124,-5.077 1.527,-4.674 1.527,-1.352 U1.B3
I2C_SDA: J1.5 U1.A3 | length 7.5
  Top Copper w0.102: v1(-0.387,-4.3) -0.328,-4.241 -0.328,-3.329 J1.5
  Bottom Layer w0.102: v1(-0.387,-4.3) 0.188,-4.875 0.95,-4.875 1.325,-4.5 1.325,-1.511 0.503,-0.689 0.499,-0.689 0.435,-0.625 U1.A3
LED_1: D1.2 U1.D3
  other v1: 1.95,0.725 2,1.25 2.5,1.3 3.05,1.3
LED_2: D2.1 U1.D1
  other v1: -7.2,1.5 -6.275,1.5 -5.4,1.5 -4.6,1.5 -3.8,1.5 -2.9,1.5 -2,1.5 -8,1.8 -1.2,1.8 -1,2.6 -6.8,2.8 -5.6,2.8 -8,2.9 -1,3.5 -8,4 -6.8,4 -5.6,4
  other v2: -3.025,2.35 -1.95,2.35 -4.125,2.375 -4,3.4 -2,3.4 -3,3.6
NetC2_1: C2.1 C7.2 U1.C1
  other v1: -7.925,-4.475 -8.45,-4.15 -7.875,-3.975 -8.275,-3.6
NetD1_1: D1.1 R1.1 | length 4.4
  Top Copper w0.2: D1.1 4.025,2 v3(4.9,2)
  Bottom Layer w0.2: R1.1 3.65,-0.475 3.775,-0.35 3.775,-0.258 3.8,-0.233 3.8,1.425 4.375,2 v3(4.9,2)
STRBL: J1.2 R3.2 U1.B2 U1.C3 | length 11.8
  Top Copper w0.102: J1.2 -1.725,-3.276 -1.725,-4.85 v1(-1.7,-4.875)
  Bottom Layer w0.102: v1(-1.7,-4.875) -1.1,-5.475 0.025,-5.475 R3.2 0.275,-5.475 1.011,-5.475 1.728,-4.757 1.728,-1.153 U1.C3 U1.B2
pads on no net: FID1.1 FID2.1 FID3.1 FID4.1 FID5.1 FID6.1

## Polygon pours and split planes (outlines as drawn)
GND on Top Copper "GND_L01_P053" (solid, remove dead copper, pour order 53): -12.25,-7.5 ccw(c-10.983,-7.5) -11.879,-8.396 -11.625,-8.65 ccw(c-10.599,-7.624) -10.599,-9.075 10.544,-9.075 ccw(c10.544,-7.551) 11.621,-8.629 11.804,-8.446 ccw(c10.726,-7.369) 12.25,-7.369 12.25,-0.75 11.696,-1.304 cw(c10.619,-0.226) 10.619,-1.75 10.381,-1.75 cw(c10.381,-0.226) 9.304,-1.304 9.196,-1.196 cw(c10.274,-0.119) 8.75,-0.119 8.75,0.119 cw(c10.274,0.119) 9.196,1.196 9.375,1.375 cw(c10.28,0.47) 10.28,1.75 10.619,1.75 cw(c10.619,0.226) 11.696,1.304 12.25,0.75 12.25,11.75 11.75,11.25 11.696,11.196 cw(c10.619,12.274) 10.619,10.75 10.381,10.75 cw(c10.381,12.274) 9.304,11.196 9.196,11.304 cw(c10.274,12.381) 8.75,12.381 8.75,12.72 cw(c10.03,12.72) 9.125,13.625 9.75,14.25 -9.75,14.25 -9.25,13.75 -9.196,13.696 cw(c-10.274,12.619) -8.75,12.619 -8.75,12.381 cw(c-10.274,12.381) -9.196,11.304 -9.304,11.196 cw(c-10.381,12.274) -10.381,10.75 -10.896,10.75 cw(c-10.896,11.604) -11.5,11 -12.25,11.75 -12.25,0.75 -11.75,1.25 -11.696,1.304 cw(c-10.619,0.226) -10.619,1.75 -10.381,1.75 cw(c-10.381,0.226) -9.304,1.304 -9.196,1.196 cw(c-10.274,0.119) -8.75,0.119 -8.75,-0.119 cw(c-10.274,-0.119) -9.196,-1.196 -9.304,-1.304 cw(c-10.381,-0.226) -10.381,-1.75 -10.896,-1.75 cw(c-10.896,-0.896) -11.5,-1.5 -12.25,-0.75
LED_2 on Top Copper "LED_2_L01_P049" (solid, pour order 49): -0.5,1.975 -0.5,3.7 -0.775,3.975 -4.425,3.975 -4.9,4.45 -8.075,4.45 -8.5,4.025 -8.5,1.565 -8.06,1.125 -1.35,1.125
5V on Top Copper "5V_L01_P044" (solid, pour order 44): -2.45,-2.225 2.175,-2.225 2.175,0.075 -2.275,0.075 -3.7,-1.35 -8.4,-1.35 -8.825,-1.775 -8.825,-2.8 -8.5,-3.125 -2.95,-3.125 -2.625,-2.8 -2.625,-2.4
5V_IN on Top Copper "5V_IN_L01_P045" (solid, pour order 45): 1.1,-2.45 1.525,-2.025 2.075,-2.025 2.175,-1.925 2.175,-0.725 3.6,0.7 4.8,0.7 4.975,0.875 4.975,1.1 5.275,1.4 8.25,1.4 8.425,1.225 8.425,-0.05 8.375,-0.1 6.525,-0.1 6.525,-2.95 5.775,-3.7 4.3,-3.7 3.75,-4.25 1.2,-4.25 1.1,-4.15 1.1,-4.05
LED_1 on Top Copper "LED_1_L01_P052" (solid, pour order 52): 2.375,2.55 2.375,1.525 1.75,1.525 1.75,0.4 2.815,0.99 3.45,0.99 3.45,2.4 3.225,2.625 2.45,2.625
NetC2_1 on Top Copper "NETC2_1_L01_P048" (solid, pour order 48): -8.275,-3.175 -8.75,-3.65 -8.75,-4.325 -8.325,-4.75 -6.675,-4.75 -6.325,-4.4 -6.325,-3.375 -6.525,-3.175
GND on Bottom Layer "GND_L04_P051" (solid, remove dead copper, pour order 51): -12.25,-7.5 ccw(c-10.983,-7.5) -11.879,-8.396 -11.625,-8.65 ccw(c-10.599,-7.624) -10.599,-9.075 10.544,-9.075 ccw(c10.544,-7.551) 11.621,-8.629 11.804,-8.446 ccw(c10.726,-7.369) 12.25,-7.369 12.25,-0.75 11.696,-1.304 cw(c10.619,-0.226) 10.619,-1.75 10.381,-1.75 cw(c10.381,-0.226) 9.304,-1.304 9.196,-1.196 cw(c10.274,-0.119) 8.75,-0.119 8.75,0.119 cw(c10.274,0.119) 9.196,1.196 9.375,1.375 cw(c10.28,0.47) 10.28,1.75 10.619,1.75 cw(c10.619,0.226) 11.696,1.304 12.25,0.75 12.25,11.75 11.75,11.25 11.696,11.196 cw(c10.619,12.274) 10.619,10.75 10.381,10.75 cw(c10.381,12.274) 9.304,11.196 9.196,11.304 cw(c10.274,12.381) 8.75,12.381 8.75,12.72 cw(c10.03,12.72) 9.125,13.625 9.75,14.25 -9.75,14.25 -9.25,13.75 -9.196,13.696 cw(c-10.274,12.619) -8.75,12.619 -8.75,12.381 cw(c-10.274,12.381) -9.196,11.304 -9.304,11.196 cw(c-10.381,12.274) -10.381,10.75 -10.896,10.75 cw(c-10.896,11.604) -11.5,11 -12.25,11.75 -12.25,0.75 -11.75,1.25 -11.696,1.304 cw(c-10.619,0.226) -10.619,1.75 -10.381,1.75 cw(c-10.381,0.226) -9.304,1.304 -9.196,1.196 cw(c-10.274,0.119) -8.75,0.119 -8.75,-0.119 cw(c-10.274,-0.119) -9.196,-1.196 -9.304,-1.304 cw(c-10.381,-0.226) -10.381,-1.75 -10.896,-1.75 cw(c-10.896,-0.896) -11.5,-1.5 -12.25,-0.75
LED_2 on Bottom Layer "LED_2_L04_P047" (solid, pour order 47): -0.5,1.7 -0.419,1.619 -0.2,1.4 -0.2,0.596 cw(c-0.371,0.596) -0.25,0.475 -0.29,0.435 cw(c-0.375,0.521) -0.375,0.4 -0.675,0.4 -0.75,0.475 -1.45,0.475 -2.075,1.1 -2.1,1.125 -8.075,1.125 -8.5,1.55 -8.5,4.025 -8.075,4.45 -4.9,4.45 -4.425,3.975 -0.775,3.975 -0.5,3.7
NetC2_1 on Bottom Layer "NETC2_1_L04_P046" (solid, pour order 46): -8.75,-2.575 -7.125,-0.95 -4.53,-0.95 -3.576,-0.012 -2.975,-0.012 -2.975,0.75 -1.925,0.75 -1.525,0.35 -0.431,0.35 cw(c-0.431,0.094) -0.25,0.275 -0.25,0.146 cw(c-0.42,0.146) -0.3,0.025 cw(c-0.36,0.085) -0.36,0 -1.95,0 -6.7,-4.75 -8.325,-4.75 -8.75,-4.325
5V on Bottom Layer "5V_L04_P040" (solid, pour order 40): -2.825,-1.85 -2.175,-2.5 0.7,-2.5 0.8,-2.4 0.8,-1.725 0.2,-1.125 0.2,-0.675 ccw(c-0.041,-0.675) 0.129,-0.504 0.125,-0.5 ccw(c0.065,-0.56) 0.065,-0.475 -0.025,-0.475 -0.215,-0.285 cw(c-0.129,-0.2) -0.25,-0.2 ccw(c-0.371,-0.2) -0.285,-0.115 -0.325,-0.075 -0.44,-0.075 ccw(c-0.44,-0.16) -0.5,-0.1 -1.875,-0.1 -2.825,-1.05
LED_1 on Bottom Layer "LED_1_L04_P050" (solid, pour order 50): 0.225,1.1 0.225,0.571 ccw(c0.396,0.571) 0.275,0.45 ccw(c0.396,0.571) 0.396,0.4 2.225,0.4 2.825,1 3.275,1 3.5,1.225 3.5,2.35 3.275,2.575 2.525,2.575 2.525,1.625 2.425,1.525 0.65,1.525
GND on Layer 1 "GND_L03_P041" (solid, pour order 41): -12.25,-7.5 ccw(c-10.983,-7.5) -11.879,-8.396 -11.625,-8.65 ccw(c-10.599,-7.624) -10.599,-9.075 10.544,-9.075 ccw(c10.544,-7.551) 11.621,-8.629 11.804,-8.446 ccw(c10.726,-7.369) 12.25,-7.369 12.25,-0.75 11.696,-1.304 cw(c10.619,-0.226) 10.619,-1.75 10.381,-1.75 cw(c10.381,-0.226) 9.304,-1.304 9.196,-1.196 cw(c10.274,-0.119) 8.75,-0.119 8.75,0.119 cw(c10.274,0.119) 9.196,1.196 9.375,1.375 cw(c10.28,0.47) 10.28,1.75 10.619,1.75 cw(c10.619,0.226) 11.696,1.304 12.25,0.75 12.25,11.75 11.75,11.25 11.696,11.196 cw(c10.619,12.274) 10.619,10.75 10.381,10.75 cw(c10.381,12.274) 9.304,11.196 9.196,11.304 cw(c10.274,12.381) 8.75,12.381 8.75,12.72 cw(c10.03,12.72) 9.125,13.625 9.75,14.25 -9.75,14.25 -9.25,13.75 -9.196,13.696 cw(c-10.274,12.619) -8.75,12.619 -8.75,12.381 cw(c-10.274,12.381) -9.196,11.304 -9.304,11.196 cw(c-10.381,12.274) -10.381,10.75 -10.896,10.75 cw(c-10.896,11.604) -11.5,11 -12.25,11.75 -12.25,0.75 -11.75,1.25 -11.696,1.304 cw(c-10.619,0.226) -10.619,1.75 -10.381,1.75 cw(c-10.381,0.226) -9.304,1.304 -9.196,1.196 cw(c-10.274,0.119) -8.75,0.119 -8.75,-0.119 cw(c-10.274,-0.119) -9.196,-1.196 -9.304,-1.304 cw(c-10.381,-0.226) -10.381,-1.75 -10.896,-1.75 cw(c-10.896,-0.896) -11.5,-1.5 -12.25,-0.75
GND on Signal Layer 1 "GND_L02_P042" (solid, pour order 42): -12.25,-7.5 ccw(c-10.983,-7.5) -11.879,-8.396 -11.625,-8.65 ccw(c-10.599,-7.624) -10.599,-9.075 10.544,-9.075 ccw(c10.544,-7.551) 11.621,-8.629 11.804,-8.446 ccw(c10.726,-7.369) 12.25,-7.369 12.25,-0.75 11.696,-1.304 cw(c10.619,-0.226) 10.619,-1.75 10.381,-1.75 cw(c10.381,-0.226) 9.304,-1.304 9.196,-1.196 cw(c10.274,-0.119) 8.75,-0.119 8.75,0.119 cw(c10.274,0.119) 9.196,1.196 9.375,1.375 cw(c10.28,0.47) 10.28,1.75 10.619,1.75 cw(c10.619,0.226) 11.696,1.304 12.25,0.75 12.25,11.75 11.75,11.25 11.696,11.196 cw(c10.619,12.274) 10.619,10.75 10.381,10.75 cw(c10.381,12.274) 9.304,11.196 9.196,11.304 cw(c10.274,12.381) 8.75,12.381 8.75,12.72 cw(c10.03,12.72) 9.125,13.625 9.75,14.25 -9.75,14.25 -9.25,13.75 -9.196,13.696 cw(c-10.274,12.619) -8.75,12.619 -8.75,12.381 cw(c-10.274,12.381) -9.196,11.304 -9.304,11.196 cw(c-10.381,12.274) -10.381,10.75 -10.896,10.75 cw(c-10.896,11.604) -11.5,11 -12.25,11.75 -12.25,0.75 -11.75,1.25 -11.696,1.304 cw(c-10.619,0.226) -10.619,1.75 -10.381,1.75 cw(c-10.381,0.226) -9.304,1.304 -9.196,1.196 cw(c-10.274,0.119) -8.75,0.119 -8.75,-0.119 cw(c-10.274,-0.119) -9.196,-1.196 -9.304,-1.304 cw(c-10.381,-0.226) -10.381,-1.75 -10.896,-1.75 cw(c-10.896,-0.896) -11.5,-1.5 -12.25,-0.75

## Keep-outs
Keep-Out Layer:
  circle w0.254: c10.5,12.5 r1.778
  circle w0.254: c-10.5,0 r1.778
  circle w0.254: c-10.5,12.5 r1.778
  circle w0.254: c10.5,0 r1.778
  lines w0.762: 12.5,12.525 12.5,-7.331 cw(c10.5,-7.331) 10.5,-9.331 -10.5,-9.331 cw(c-10.5,-7.331) -12.5,-7.331 -12.5,12.531 cw(c-10.5,12.531) -10.5,14.531 10.5,14.531 cw(c10.5,12.531) 12.5,12.531

## Silkscreen, mask and mechanical layers (free items; w line width, h text height)
Top Overlay:
  drawing of 7 lines, arcs and shapes, not listed
  text ".PROJECT_TITLE" at 7.325,6.95 h1.27
  text ".REVISION" at 7.325,6 h1.27
Bottom Overlay:
  drawing of 8 lines, arcs and shapes, not listed
  text ".PROJECT_TITLE" at 11.73,9.428 h1.27
  text ".REVISION" at 11.73,8.378 h1.27
  text "Pb" at -8.902,4.572 h2.34
  text "RoHS" at -8.2,2.7 h1.4
Board:
  lines w0.025: -10.5,-9.331 cw(c-10.5,-7.331) -12.5,-7.331 -12.5,12.531 cw(c-10.5,12.531) -10.5,14.531 ; 10.5,-9.331 ccw(c10.5,-7.331) 12.5,-7.331 ; 10.5,14.531 cw(c10.5,12.531) 12.5,12.531
Drill Drawing:
  drawing of 366 lines, arcs and shapes, not listed
  text "Layer" at 29.069,17.761 h1.52
  text "Name" at 39.48,17.761 h1.52
  text "Material" at 63.096,17.761 h1.52
  text "Thickness" at 84.934,17.761 h1.52
  text "Constant" at 101.44,17.761 h1.52
  text "Board Layer Stack" at 115.914,17.761 h1.52
  text "Top Overlay" at 39.48,14.713 h1.52
  text "Top Mask" at 39.48,11.665 h1.52
  text "Solder Resist" at 63.096,11.665 h1.52
  text "0,71mil" at 84.934,11.665 h1.52
  text "4.2" at 101.44,11.665 h1.52
  text "1" at 29.069,8.617 h1.52
  text "Top Copper" at 39.48,8.617 h1.52
  text "1,40mil" at 84.934,8.617 h1.52
  text "Dielectric 1" at 39.48,5.569 h1.52
  text "PP-021" at 63.096,5.569 h1.52
  text "7,09mil" at 84.934,5.569 h1.52
  text "4.2" at 101.44,5.569 h1.52
  text "2" at 29.069,2.521 h1.52
  text "Signal Layer 1" at 39.48,2.521 h1.52
  text "1,40mil" at 84.934,2.521 h1.52
  text "Core" at 39.48,-0.527 h1.52
  text "Core-042" at 63.096,-0.527 h1.52
  text "43,31mil" at 84.934,-0.527 h1.52
  text "4.2" at 101.44,-0.527 h1.52
  text "3" at 29.069,-3.575 h1.52
  text "Layer 1" at 39.48,-3.575 h1.52
  text "1,40mil" at 84.934,-3.575 h1.52
  text "Dielectric 2" at 39.48,-6.623 h1.52
  text "PP-021" at 63.096,-6.623 h1.52
  text "7,09mil" at 84.934,-6.623 h1.52
  text "4.2" at 101.44,-6.623 h1.52
  text "4" at 29.069,-9.671 h1.52
  text "Bottom Layer" at 39.48,-9.671 h1.52
  text "1,40mil" at 84.934,-9.671 h1.52
  text "Bottom Solder" at 39.48,-12.719 h1.52
  text "Solder Resist" at 63.096,-12.719 h1.52
  text "0,71mil" at 84.934,-12.719 h1.52
  text "4.2" at 101.44,-12.719 h1.52
  text "Bottom Overlay" at 39.48,-15.767 h1.52

## Text inside footprints (layer, text, board x,y; h text height)
D2: Top Assembly "c" at -2.19,5.85 h1 r270
J1: Top Overlay "1" at -1.95,-2.225 h1.52; Top Overlay "10" at 2.85,-3.9 h1.52